# Allegro board 038RT-9068CJK8E-A100_0921.brd (continued)
## Routing (per net, layer and track width the routed paths; a pad name or vN(x,y) marks a point on that pad's centre or on a via; arc(x,y) is an arc through that point) (continued)
S2_LDOIN: length 32.4
  TOP w0.508: v1(292.06,251) 291.07,250.02 291.07,240.87 290.69,240.49 S2_LDOIN.1
  L15_SIGNAL w0.102: 288.1,258.6 288.1,267.42 v1(287.7,267.82)
  L15_SIGNAL w0.105: 288.12,258.58 288.1,258.6 288.1,258.6
  L15_SIGNAL w0.203: v2(292.79,253.2) 290.93,253.2 290.02,254.11 290.02,256.67 288.12,258.58
  BOTTOM w0.203: UNK2ST3.1 v2(292.79,253.2)
  vias: v1(282.9,267.02) v1(282.9,266.22) v1(286.9,267.82) v1(286.9,267.02) v1(287.7,267.02) v1(292.06,251.64)
S2_MCT1: length 5
  TOP w0.115: UNK2T12.2 v2(54.59,351.17) ; UNK2R134.1 v2(57.76,351.17)
  L03_SIGNAL w0.145: v2(54.59,351.17) v2(57.76,351.17)
S2_MCT2: length 12
  TOP w0.115: UNK2R133.1 v2(51.73,351.17) ; UNK2T12.7 v2(60.94,351.17)
  L03_SIGNAL w0.145: v2(60.94,351.17) 59.81,352.3 52.86,352.3 v2(51.73,351.17)
S2_MCT_RC: length 8.6
  L03_SIGNAL w0.145: v2(49.55,349.92) 49.88,349.58 v2(51.73,349.58) 52.05,349.9 57.45,349.9 v2(57.76,349.58)
S2_NGATE:
  vias: v1(281.3,269.42)
S2_OE_K144: length 17.3
  BOTTOM w0.115: UNK2K144.1 45.66,291.14 46.72,292.2 49.72,292.2 51.16,290.75 51.16,286.34 UNK2RL18.1 49.84,286.03 47.98,286.03 47.5,286.52 UNK2K144.10
S2_OE_K145: length 9.5
  L42_SIGNAL w0.203: v1(27.08,276.14) 25.89,277.32 25.89,278.01 v1(23.86,280.04)
  BOTTOM w0.115: UNK2K145.1 v1(27.08,276.14) ; v1(23.86,280.04) 24.17,280.04 24.64,280.51 25.29,280.51 25.94,281.17 UNK2K145.10
S2_OE_K184: length 14.2
  BOTTOM w0.115: UNK2K184.1 139.69,284.78 140.6,285.68 141.94,285.68 143.88,283.74 UNK2RL21.1 143.25,280.14 140.6,280.14 140.46,280.28 UNK2K184.10
S2_OE_K213: length 15.4
  BOTTOM w0.115: UNK2K213.1 253.94,252.82 254.84,253.73 256.62,253.73 258.56,251.79 258.56,249.08 UNK2RL42.1 258.18,248.19 254.85,248.19 254.71,248.32 UNK2K213.10
S2_OE_K214: length 14.1
  BOTTOM w0.115: UNK2K214.10 232.5,248.32 232.63,248.19 235.13,248.19 UNK2RL44.1 235.92,248.97 235.92,251.79 233.98,253.73 232.63,253.73 231.73,252.82 UNK2K214.1
S2_OE_K217: length 8.3
  BOTTOM w0.115: UNK2K217.10 140.63,264.12 140.86,264.35 140.86,264.98 141.25,265.37 UNK2RL39.1 141.51,267.24 140.13,268.62 UNK2K217.1
S2_P0_LDOOUT:
  vias: v1(282.9,267.82) v1(283.7,267.82)
S2_P0_LED: length 20.5
  L05_SIGNAL w0.102: 292.92,267.42 289.7,267.42 v1(289.3,267.82)
  L05_SIGNAL w0.105: 292.92,267.42 293.01,267.33 295.64,267.33 297.38,269.07 v1(308.89,269.07)
S2_P0_MDI+: length 28.8
  TOP w0.105: UNK2K60.3 259.01,264.93 259.12,264.83 261.87,264.83 263.45,266.41 263.45,269.93 265.87,272.36 275.26,272.36 277.45,274.55 279.05,274.55 279.53,274.06 279.53,273.59 SITE2.A3
S2_P0_MDI-: length 28.8
  TOP w0.105: UNK2K60.6 259.01,264.26 259.12,264.36 262.06,264.36 263.91,266.22 263.91,266.51 264.04,266.63 264.13,266.63 264.25,266.76 264.25,266.93 264.13,267.05 264.04,267.05 263.91,267.18 263.91,267.35 264.04,267.47 264.13,267.47 264.25,267.6 264.25,267.77 264.13,267.89 264.04,267.89 263.91,268.02 263.91,269.74 266.06,271.89 275.45,271.89 277.64,274.08 278.85,274.08 279.06,273.87 279.06,273.59 SITE2.A2
S2_P0_RXC: length 136.8
  L13_SIGNAL w0.105: v1(278.1,268.62) 276.93,268.62 274.48,271.07 268.92,271.07 267.79,272.19 212,272.19 210.86,271.05 197.44,271.05 196.56,271.93 183.69,271.93 182.16,273.46 182.16,275.61 181.57,276.21 179.32,276.21 178.56,275.45 178.56,272.55 177.78,271.77 167.96,271.77 167.2,272.53 167.2,275.91 166.59,276.52 163.94,276.52 163.41,275.99 163.41,268.65 164.53,267.53 v1(164.63,267.53)
S2_P0_RXD0: length 122.1
  L13_SIGNAL w0.102: v1(278.9,266.22) 278.5,265.82 277.85,265.82
  L13_SIGNAL w0.105: v1(164.63,275.26) 165.87,274.02 165.87,270.41 167.39,268.89 179.72,268.89 180.28,268.33 182.15,268.33 182.75,267.73 193.4,267.73 193.84,267.29 208.59,267.29 211.38,264.5 269.38,264.5 271.13,266.25 274.9,266.25 275.59,265.56 277.59,265.56 277.85,265.82
S2_P0_RXD1: length 99.9
  L13_SIGNAL w0.105: v1(180.39,269.05) 182.35,269.05 183.09,268.31 194.7,268.31 195.1,267.91 210.38,267.91 211.49,266.8 222.96,266.8 223.64,267.48 262.45,267.48 263.53,266.41 270.44,266.41 270.94,266.91 275.17,266.91 275.86,266.22 v1(278.1,266.22)
S2_P0_RXD2: length 121.6
  L13_SIGNAL w0.102: 277.83,265.02 279.17,265.02 279.3,265.15 279.3,266.62 v1(278.9,267.02)
  L13_SIGNAL w0.105: v1(164.63,269.05) 166.38,269.05 167.26,268.17 178.41,268.17 181.15,265.44 209.26,265.44 213.51,261.19 262.08,261.19 264.09,263.21 269.12,263.21 270.79,264.88 277.7,264.88 277.83,265.02
S2_P0_RXD3: length 135.2
  L13_SIGNAL w0.105: v1(164.63,261.32) 164.2,261.75 164.2,265.97 165.13,266.9 165.13,267.75 163.99,268.9 163.99,275.74 164.12,275.87 166.23,275.87 166.62,275.48 166.62,272.19 167.65,271.16 181.13,271.16 183.4,268.89 197.42,268.89 197.81,268.51 210.8,268.51 211,268.3 269.36,268.3 269.99,267.67 275.52,267.67 276.17,267.02 v1(278.1,267.02)
S2_P0_RXDV: length 124.4
  L13_SIGNAL w0.102: v1(278.9,267.82) 279.3,267.42 279.99,267.42 280.1,267.31 280.1,264.43 279.89,264.22 277.83,264.22
  L13_SIGNAL w0.105: 277.83,264.22 271.07,264.22 269.39,262.54 264.37,262.54 262.36,260.53 213.23,260.53 208.99,264.78 180.77,264.78 180.17,265.37 167.16,265.37 v1(164.63,262.84)
S2_P0_RXER: length 102.3
  L13_SIGNAL w0.105: v1(180.39,275.26) 180.97,274.68 180.97,273.65 183.25,271.37 196.12,271.37 197.13,270.37 211.14,270.37 212.28,271.51 265.59,271.51 266.75,270.34 269.22,270.34 271.1,268.47 275.85,268.47 276.5,267.82 v1(278.1,267.82)
S2_P0_TESTD: length 123.4
  L07_SIGNAL w0.102: 277.68,269.87 277.73,269.82 278.4,269.82 278.5,269.72 278.5,269.02 v1(278.9,268.62)
  L07_SIGNAL w0.105: v1(180.39,267.53) 182.17,269.31 182.17,276.86 184.45,279.14 209.1,279.14 221.55,291.59 236.91,291.59 244.62,283.87 257.58,283.87 263.99,277.47 269.99,277.47 273.45,274.01 273.45,273.07 276.56,269.97 277.58,269.97 277.68,269.87
S2_P0_TXC: length 105.1
  L11_SIGNAL w0.102: 277.85,269.02 278.41,269.02 278.5,269.11 278.5,269.82 v1(278.9,270.22)
  L11_SIGNAL w0.105: v1(180.39,262.84) 183.89,259.35 214.57,259.35 214.89,259.03 241.2,259.03 247.07,264.9 262.42,264.9 264.02,266.5 275.33,266.5 277.85,269.02
S2_P0_TXD0: length 88.9
  L11_SIGNAL w0.102: 277.85,270.62 278.5,270.62 v1(278.9,271.02)
  L11_SIGNAL w0.105: v1(196.15,262.84) 196.57,262.43 213.89,262.43 215.99,260.34 240.6,260.34 248.42,268.17 262,268.17 265.27,271.43 275.63,271.43 276.45,270.62 277.85,270.62
S2_P0_TXD1: length 108.6
  L11_SIGNAL w0.105: v1(180.39,261.32) 179.47,262.24 179.47,264.04 180.18,264.75 209.87,264.75 211.24,263.37 214.63,263.37 217.03,260.98 240.33,260.98 248.16,268.81 261.73,268.81 264.91,271.99 275.99,271.99 276.71,271.26 277.86,271.26 v1(278.1,271.02)
S2_P0_TXD2: length 126
  L11_SIGNAL w0.102: 277.85,272.22 278.5,272.22 v1(278.9,271.82)
  L11_SIGNAL w0.105: v1(164.63,273.73) 165.58,274.69 194.98,274.69 197.53,272.14 197.53,266.67 198.24,265.96 210.77,265.96 211.14,265.59 221.25,265.59 224.1,268.44 243.37,268.44 246.9,271.97 262.59,271.97 264.63,274.01 275.77,274.01 277.41,272.38 277.69,272.38 277.85,272.22
S2_P0_TXD3: length 108.2
  L11_SIGNAL w0.105: v1(180.39,273.73) 180.78,274.13 194.75,274.13 196.97,271.91 196.97,266.44 198.01,265.4 210.54,265.4 210.91,265.03 221.48,265.03 224.33,267.88 243.6,267.88 247.14,271.41 262.83,271.41 263.96,272.55 276.45,272.55 277.17,271.82 v1(278.1,271.82)
S2_P0_TXEN: length 87.4
  L11_SIGNAL w0.105: v1(278.1,270.22) 277.83,269.95 276.17,269.95 274.48,268.26 263.04,268.26 262.27,267.5 248.7,267.5 240.87,259.67 215.71,259.67 213.62,261.76 196.6,261.76 v1(196.15,261.32)
S2_P0_VDDIO: length 0.8
  BOTTOM w0.508: v1(278.1,272.62) 277.32,272.62 UNK2CD138.1
  vias: v1(273.96,275.23) v1(274.6,275.23) v1(278.1,269.42) v1(278.9,269.42)
S2_P1_LDOOUT:
  vias: v1(287.7,266.22) v1(287.7,265.42)
S2_P1_LED: length 22.8
  L03_SIGNAL w0.102: v1(290.1,267.02) 290.5,266.62 292.92,266.62
  L03_SIGNAL w0.145: v1(312.06,266.53) 311.21,267.38 307.58,267.38 307.16,266.96 294.98,266.96 294.63,266.62 292.92,266.62
S2_P1_MDI+: length 67.1
  L03_SIGNAL w0.136: UNK2K64.3 230,264.23 229.86,264.37 226.51,264.37 225.8,265.09 225.8,267.61 226.61,268.43 261.86,268.43 265.38,271.96 267.71,271.96 268.31,272.55 275.02,272.55 277.07,274.6 279.17,274.6 280.32,273.45 280.32,272.79 v1(280.5,272.62)
S2_P1_MDI-: length 67.1
  L03_SIGNAL w0.136: v1(279.7,272.62) 279.87,272.79 279.87,273.26 278.98,274.15 277.26,274.15 275.21,272.1 274.82,272.1 274.66,271.94 274.66,271.7 274.5,271.54 274.28,271.54 274.12,271.7 274.12,271.94 273.96,272.1 273.73,272.1 273.58,271.94 273.58,271.7 273.42,271.54 273.19,271.54 273.03,271.7 273.03,271.94 272.87,272.1 272.65,272.1 272.49,271.94 272.49,271.7 272.33,271.54 272.1,271.54 271.94,271.7 271.94,271.94 271.79,272.1 268.5,272.1 267.9,271.5 265.57,271.5 262.04,267.98 226.8,267.98 226.25,267.43 226.25,265.28 226.7,264.82 229.86,264.82 230,264.96 UNK2K64.6
S2_P1_RXC: length 52.8
  L07_SIGNAL w0.102: 292.92,262.64 292.9,262.62 292.1,262.62 292.1,262.62 v1(291.7,262.22)
  L07_SIGNAL w0.105: 292.92,262.64 294.37,262.64 297.15,265.42 297.15,276.75 292.34,281.56 292.34,283.33 289.51,286.16 289.51,288.32 288.83,288.99 277.02,288.99 274.09,286.06 274.09,284.56 v1(274.78,283.87)
  BOTTOM w0.115: UNK2RR534.1 v1(274.78,283.87) UNK2RR524.1
S2_P1_RXD0: length 32.4
  L07_SIGNAL w0.102: v1(291.7,264.62) 290.5,265.82 290.5,273.84
  L07_SIGNAL w0.105: v1(278.85,283.87) 280.48,285.5 281.38,285.5 281.8,285.09 281.8,278.73 282.51,278.02 288.35,278.02 290.5,275.87 290.5,273.84
  BOTTOM w0.115: UNK2RR520.1 v1(278.85,283.87) UNK2RR530.1
S2_P1_RXD1: length 46.9
  L07_SIGNAL w0.105: v1(292.5,264.62) 293.34,264.62 295.33,266.61 295.33,275.53 290.52,280.34 290.52,282.58 287.17,285.92 287.17,287.54 286.99,287.73 278.16,287.73 276.29,285.87 276.29,282.65 277.48,281.46 277.48,280.73 v1(276.81,280.06)
  BOTTOM w0.115: UNK2RR531.1 v1(276.81,280.06) UNK2RR521.1
S2_P1_RXD2: length 29.7
  L07_SIGNAL w0.102: 289.7,273.84 289.7,264.34 289.82,264.22 291.3,264.22 v1(291.7,263.82)
  L07_SIGNAL w0.105: v1(280.88,283.87) 280.18,283.17 280.18,278.87 282.11,276.94 287.4,276.94 289.7,274.64 289.7,273.84
  BOTTOM w0.115: UNK2RR532.1 v1(280.88,283.87) UNK2RR522.1
S2_P1_RXD3: length 52.5
  L07_SIGNAL w0.105: v1(278.85,280.06) 278.33,279.55 276.61,279.55 276.25,279.91 276.25,281.89 275.73,282.4 275.73,286.34 277.69,288.3 287.22,288.3 287.74,287.78 287.74,286.16 291.09,282.81 291.09,281.04 295.89,276.23 295.89,266.38 293.5,263.98 292.66,263.98 v1(292.5,263.82)
  BOTTOM w0.115: UNK2RR533.1 v1(278.85,280.06) UNK2RR523.1
S2_P1_RXDV: length 31.4
  L07_SIGNAL w0.102: v1(291.7,263.02) 291.3,263.42 289.13,263.42 288.9,263.66 288.9,273.84
  L07_SIGNAL w0.105: v1(274.78,280.06) 275.34,279.5 275.34,278.18 275.91,277.61 280.47,277.61 283.8,274.28 288.64,274.28 288.9,274.03 288.9,273.84
  BOTTOM w0.115: UNK2RR535.1 v1(274.78,280.06) UNK2RR525.1
S2_P1_TXC: length 222.1
  L11_SIGNAL w0.105: v1(104.26,290.1) 105.19,291.03 105.19,291.68 107.99,294.48 139.5,294.48 144.75,289.22 184.3,289.22 185.57,287.95 211.63,287.95 212.85,286.73 260.13,286.73 262.09,288.7 285.52,288.7 287.11,287.11 287.11,284.36 296.27,275.2 296.27,269.36 296.49,269.14 296.49,266.5 293.97,263.97 293.97,261.93 293.47,261.42 v1(292.5,261.42)
  BOTTOM w0.115: UNK2RR514.1 v1(104.26,290.1) UNK2RR504.1
S2_P1_TXD0: length 236.6
  L11_SIGNAL w0.105: v1(292.5,259.82) 292.84,259.47 294.1,259.47 296.09,261.46 296.09,262.49 298.07,264.47 298.79,264.47 299.46,265.14 299.46,268.79 297.94,270.31 297.94,275.89 290.07,283.75 290.07,287.18 285.89,291.36 220.96,291.36 219.54,289.94 186.28,289.94 185.09,291.13 145.8,291.13 139.91,297.01 107.34,297.01 103.78,293.45 101.51,293.45 v1(98.16,290.1)
  BOTTOM w0.115: UNK2RR500.1 v1(98.16,290.1) UNK2RR510.1
S2_P1_TXD1: length 231.4
  L11_SIGNAL w0.102: v1(291.7,259.82) 292.1,260.22 292.79,260.22 292.89,260.13 292.92,260.13
  L11_SIGNAL w0.105: v1(100.2,290.1) 102.73,292.64 103.75,292.64 107.57,296.46 139.47,296.46 145.44,290.49 184.82,290.49 186.01,289.3 229.19,289.3 229.53,288.96 259.91,288.96 260.87,289.91 286.55,289.91 289.52,286.95 289.52,283.52 297.38,275.66 297.38,269.82 297.6,269.6 297.6,266.03 295.25,263.68 295.25,261.41 293.96,260.13 292.92,260.13
  BOTTOM w0.115: UNK2RR501.1 v1(100.2,290.1) UNK2RR511.1
S2_P1_TXD2: length 244.2
  L11_SIGNAL w0.105: v1(291.7,259.02) 292.25,258.47 294.44,258.47 296.68,260.71 299.5,260.71 301.12,262.33 301.12,267.91 298.49,270.54 298.49,276.12 290.63,283.98 290.63,287.41 286.12,291.91 220.65,291.91 219.39,290.65 219.37,290.65 219.29,290.57 186.54,290.57 185.35,291.76 146.01,291.76 140.21,297.57 107.11,297.57 106.43,296.88 102.91,296.88 v1(96.13,290.1)
  BOTTOM w0.115: UNK2RR502.1 v1(96.13,290.1) UNK2RR512.1
S2_P1_TXD3: length 250.8
  L11_SIGNAL w0.102: 290.57,258.6 290.5,258.67 290.5,259.42 v1(290.9,259.82)
  L11_SIGNAL w0.105: 290.57,258.6 291.28,257.89 292.01,257.89 292.03,257.91 294.67,257.91 296.91,260.16 299.73,260.16 301.67,262.1 301.67,268.14 299.05,270.77 299.05,276.35 291.18,284.21 291.18,287.18 291.18,287.64 286.35,292.47 220.42,292.47 219.16,291.21 186.8,291.21 185.61,292.4 146.4,292.4 140.68,298.12 106.88,298.12 106.31,297.55 101.55,297.55 v1(94.1,290.1)
  BOTTOM w0.115: UNK2RR513.1 v1(94.1,290.1) UNK2RR503.1
S2_P1_TXEN: length 226.2
  L11_SIGNAL w0.102: 292.92,260.76 292.61,260.76 292.5,260.65 v1(292.5,260.62)
  L11_SIGNAL w0.105: v1(102.23,290.1) 103.09,290.96 103.09,291.18 107.8,295.9 139.16,295.9 145.21,289.86 184.56,289.86 185.91,288.51 229.2,288.51 229.6,288.1 260.71,288.1 261.86,289.25 285.75,289.25 287.66,287.34 287.66,287.33 287.69,287.3 287.69,284.56 296.83,275.43 296.83,269.59 297.05,269.37 297.05,266.26 294.62,263.84 294.62,261.71 293.67,260.76 292.92,260.76
  BOTTOM w0.115: UNK2RR515.1 v1(102.23,290.1) UNK2RR505.1
S2_P1_VDDIO:
  vias: v1(290.9,262.22) v1(291.7,261.42) v1(292.5,262.22) v1(297.46,262.26) v1(298.28,261.75) v1(298.92,261.75)
S2_P2_GIGA_MDI+: length 5.6
  BOTTOM w0.105: UNK2T18.3 287.43,277.32 287.43,276.71 289.93,274.21 289.93,273.59 v1(290.1,273.42)
S2_P2_GIGA_MDI-: length 5.6
  BOTTOM w0.105: UNK2T18.4 286.96,277.32 286.96,276.52 289.46,274.02 289.46,273.59 v1(289.3,273.42)
S2_P2_LED: length 27.1
  L05_SIGNAL w0.102: v1(289.3,267.02) 289.7,266.62 292.92,266.62
  L05_SIGNAL w0.105: v1(315.24,269.07) 314.3,268.13 308.65,268.13 307.43,266.91 296.53,266.91 296.24,266.62 292.92,266.62
S2_P3_GIGA_MDI+: length 5.6
  BOTTOM w0.105: UNK2T23.3 294.03,277.32 294.03,276.28 291.53,273.77 291.53,273.59 v1(291.7,273.42)
S2_P3_GIGA_MDI-: length 5.6
  BOTTOM w0.105: UNK2T23.4 293.57,277.32 293.57,276.47 291.06,273.97 291.06,273.59 v1(290.9,273.42)
S2_P3_LED: length 20
  L05_SIGNAL w0.102: v1(289.3,266.22) 289.7,265.82 292.92,265.82
  L05_SIGNAL w0.105: 292.92,265.82 296.69,265.82 297.19,266.32 308.68,266.32 v1(308.89,266.53)
S2_P4_HSI+: length 188.9
  L07_SIGNAL w0.1: 286.6,258.6 286.66,258.53 arc(286.7,258.48) 286.72,258.41 286.72,257.96 arc(286.7,257.91) 286.68,257.86 283.36,254.55 arc(283.25,254.39) 283.21,254.19 283.21,248.98 arc(283.2,248.92) 283.17,248.88 281.62,247.33 arc(281.58,247.3) 281.53,247.29 278.95,247.29 arc(278.76,247.25) 278.6,247.14 275.71,244.25 arc(275.66,244.22) 275.61,244.21 260.27,244.21 arc(260.08,244.17) 259.92,244.06 256.1,240.25 arc(256.06,240.22) 256.01,240.21 222.25,240.21 arc(222.19,240.22) 222.15,240.25 208.89,253.5 arc(208.73,253.61) 208.54,253.65 167.48,253.65 arc(167.42,253.66) 167.38,253.69 151.82,269.25 147.02,274.06 arc(146.47,274.87) 146.28,275.83 146.28,284.35 arc(146.15,285.01) 145.78,285.57 arc(145.05,286.06) 144.18,286.23 140.76,286.23 arc(140.45,286.17) 140.2,286 139.65,285.45 arc(139.54,285.29) 139.5,285.09 139.5,284.46 arc(139.54,284.27) 139.65,284.11 139.77,283.99 arc(139.93,283.88) 140.12,283.85 140.38,283.85 arc(140.47,283.83) 140.54,283.78 v1(140.62,283.7)
  L07_SIGNAL w0.102: 286.6,258.6 286.54,258.66 arc(286.51,258.71) 286.5,258.76 286.5,259.21 arc(286.54,259.4) 286.64,259.57 v4(286.9,259.82)
  BOTTOM w0.105: UNK2K184.3 139.03,283.8 140.52,283.8 v1(140.62,283.7)
S2_P4_HSI-: length 188.9
  L07_SIGNAL w0.1: 287.18,258.6 287.12,258.54 arc(287.09,258.49) 287.08,258.43 287.08,257.96 arc(287.04,257.77) 286.93,257.61 283.62,254.29 arc(283.59,254.25) 283.58,254.19 283.58,248.98 arc(283.54,248.79) 283.43,248.62 281.88,247.07 arc(281.72,246.97) 281.53,246.93 278.95,246.93 arc(278.9,246.92) 278.85,246.89 275.96,243.99 arc(275.8,243.89) 275.61,243.85 260.27,243.85 arc(260.22,243.84) 260.18,243.81 256.36,239.99 arc(256.2,239.88) 256.01,239.84 222.25,239.84 arc(222.05,239.88) 221.89,239.99 208.63,253.25 arc(208.59,253.28) 208.54,253.29 175.99,253.29 arc(175.88,253.27) 175.78,253.2 175.77,253.19 arc(175.66,253.11) 175.52,253.09 175.43,253.09 arc(175.3,253.11) 175.18,253.19 175.17,253.2 arc(175.08,253.27) 174.97,253.29 174.79,253.29 arc(174.68,253.27) 174.58,253.2 174.57,253.19 arc(174.45,253.11) 174.3,253.08 174.25,253.08 arc(174.11,253.11) 173.98,253.19 173.97,253.2 arc(173.88,253.27) 173.77,253.29 173.58,253.29 arc(173.47,253.27) 173.38,253.2 173.37,253.19 arc(173.25,253.11) 173.11,253.08 173.04,253.08 arc(172.9,253.11) 172.78,253.19 172.77,253.2 arc(172.67,253.27) 172.57,253.29 172.38,253.29 arc(172.27,253.27) 172.18,253.2 172.17,253.19 arc(172.03,253.1) 171.88,253.07 171.87,253.07 arc(171.71,253.1) 171.58,253.19 171.57,253.2 arc(171.47,253.27) 171.36,253.29 171.18,253.29 arc(171.07,253.27) 170.98,253.2 170.97,253.19 arc(170.85,253.12) 170.72,253.09 170.62,253.09 arc(170.49,253.12) 170.38,253.19 170.37,253.2 arc(170.27,253.27) 170.16,253.29 167.48,253.29 arc(167.29,253.33) 167.12,253.43 151.56,269 146.76,273.8 arc(146.14,274.73) 145.92,275.83 145.92,284.35 arc(145.81,284.87) 145.52,285.31 arc(144.91,285.72) 144.18,285.87 140.76,285.87 arc(140.59,285.83) 140.45,285.74 139.91,285.19 arc(139.88,285.15) 139.86,285.09 139.86,284.46 arc(139.88,284.41) 139.9,284.37 140.02,284.25 arc(140.07,284.22) 140.12,284.21 140.38,284.21 arc(140.47,284.23) 140.54,284.28 v1(140.62,284.36)
  L07_SIGNAL w0.102: 287.18,258.6 287.25,258.66 arc(287.28,258.72) 287.3,258.79 287.3,259.21 arc(287.34,259.4) 287.44,259.57 v4(287.7,259.82)
  BOTTOM w0.105: v1(140.62,284.36) 140.52,284.26 139.03,284.26 UNK2K184.2
S2_P4_HSO+: length 204.8
  L05_SIGNAL w0.1: v1(142.4,281.7) 142.32,281.78 arc(142.24,281.83) 142.16,281.85 141.2,281.85 141.01,281.66 139.92,281.66 arc(139.73,281.69) 139.56,281.8 139.12,282.25 arc(139.01,282.41) 138.97,282.6 138.97,285 arc(139.01,285.19) 139.12,285.36 139.86,286.1 arc(140.02,286.21) 140.22,286.25 142.41,286.25 arc(145.24,285.07) 146.41,282.24 146.41,276.49 arc(146.73,274.9) 147.63,273.55 149.56,271.62 arc(150.33,270.47) 150.6,269.11 150.6,268.06 arc(151.01,265.98) 152.2,264.21 167.7,248.7 arc(167.75,248.67) 167.8,248.66 208.9,248.66 arc(209.09,248.62) 209.25,248.52 220.39,237.38 arc(220.44,237.35) 220.49,237.34 280.07,237.34 arc(280.12,237.35) 280.16,237.38 282.69,239.9 arc(283.12,240.54) 283.27,241.3 283.27,254.46 arc(283.34,254.85) 283.56,255.18 285.18,256.79 arc(285.34,256.9) 285.53,256.94 286.76,256.94 arc(286.81,256.95) 286.86,256.98 287.87,258 arc(287.9,258.04) 287.92,258.09 287.92,258.57 287.91,258.58 287.91,258.6
  L05_SIGNAL w0.102: 287.91,258.6 287.91,258.71 arc(287.9,258.8) 287.85,258.87 v4(287.7,259.02)
  BOTTOM w0.105: UNK2K184.7 139.03,281.8 142.3,281.8 v1(142.4,281.7)
S2_P4_HSO-: length 204.8
  L05_SIGNAL w0.1: 288.28,258.6 288.28,258.58 288.28,258.57 288.28,258.09 arc(288.24,257.9) 288.13,257.74 287.11,256.72 arc(286.95,256.61) 286.76,256.57 285.53,256.57 arc(285.48,256.56) 285.43,256.53 283.82,254.92 arc(283.68,254.71) 283.63,254.46 283.63,241.3 arc(283.45,240.4) 282.94,239.64 280.42,237.12 arc(280.26,237.01) 280.07,236.97 220.49,236.97 arc(220.3,237.01) 220.13,237.12 208.99,248.26 arc(208.95,248.29) 208.9,248.3 175.67,248.3 arc(175.56,248.28) 175.47,248.22 175.45,248.2 arc(175.33,248.12) 175.18,248.09 175.13,248.09 arc(174.99,248.12) 174.87,248.2 174.85,248.22 arc(174.76,248.28) 174.65,248.3 174.47,248.3 arc(174.36,248.28) 174.26,248.22 174.25,248.2 arc(174.12,248.11) 173.96,248.08 173.96,248.08 arc(173.8,248.11) 173.66,248.2 173.65,248.22 arc(173.56,248.28) 173.45,248.3 173.27,248.3 arc(173.16,248.28) 173.06,248.22 173.05,248.2 arc(172.93,248.12) 172.8,248.1 172.72,248.1 arc(172.58,248.12) 172.46,248.2 172.45,248.22 arc(172.36,248.28) 172.25,248.3 172.06,248.3 arc(171.96,248.28) 171.86,248.22 171.85,248.2 arc(171.73,248.12) 171.58,248.09 171.53,248.09 arc(171.38,248.12) 171.26,248.2 171.25,248.22 arc(171.16,248.28) 171.05,248.3 170.86,248.3 arc(170.75,248.28) 170.66,248.22 170.65,248.2 arc(170.55,248.13) 170.42,248.11 170.29,248.11 arc(170.16,248.13) 170.06,248.2 170.05,248.22 arc(169.96,248.28) 169.85,248.3 167.8,248.3 arc(167.61,248.34) 167.44,248.45 151.94,263.95 arc(150.68,265.84) 150.24,268.06 150.24,269.11 arc(149.99,270.33) 149.3,271.37 147.38,273.29 arc(146.4,274.76) 146.05,276.49 146.05,282.24 arc(144.99,284.82) 142.41,285.88 140.22,285.88 arc(140.16,285.87) 140.12,285.84 140.12,285.84 139.37,285.1 arc(139.34,285.05) 139.33,285 139.33,282.6 arc(139.34,282.55) 139.37,282.5 139.82,282.06 arc(139.86,282.03) 139.92,282.02 140.86,282.02 141.05,282.21 142.16,282.21 arc(142.24,282.23) 142.32,282.28 v1(142.4,282.36)
  L05_SIGNAL w0.102: v4(288.5,259.02) 288.34,258.87 arc(288.3,258.8) 288.28,258.71 288.28,258.6
  BOTTOM w0.105: v1(142.4,282.36) 142.3,282.26 139.03,282.26 UNK2K184.6
S2_P5_HSI+: length 190.5
  L07_SIGNAL w0.1: 288.2,258.6 288.27,258.54 arc(288.3,258.48) 288.32,258.42 288.32,245.95 arc(288.3,245.9) 288.28,245.85 279.85,237.43 arc(279.81,237.4) 279.75,237.39 221.08,237.39 arc(221.03,237.4) 220.98,237.43 210.22,248.19 arc(210.06,248.3) 209.86,248.34 191.19,248.34 arc(191.08,248.36) 190.99,248.42 190.97,248.44 arc(190.85,248.52) 190.71,248.54 190.65,248.54 arc(190.51,248.52) 190.38,248.44 190.37,248.42 arc(190.28,248.36) 190.17,248.34 189.99,248.34 arc(189.88,248.36) 189.78,248.42 189.77,248.44 arc(189.65,248.51) 189.51,248.54 189.44,248.54 arc(189.3,248.51) 189.18,248.44 189.17,248.42 arc(189.08,248.36) 188.97,248.34 188.79,248.34 arc(188.68,248.36) 188.58,248.42 188.57,248.44 arc(188.45,248.52) 188.3,248.55 188.25,248.55 arc(188.11,248.52) 187.98,248.44 187.97,248.42 arc(187.88,248.36) 187.77,248.34 187.59,248.34 arc(187.48,248.36) 187.38,248.42 187.37,248.44 arc(187.25,248.51) 187.11,248.54 187.04,248.54 arc(186.9,248.51) 186.78,248.44 186.77,248.42 arc(186.68,248.36) 186.57,248.34 186.38,248.34 arc(186.27,248.36) 186.18,248.42 186.17,248.44 arc(186.06,248.51) 185.92,248.54 185.82,248.54 arc(185.69,248.51) 185.58,248.44 185.57,248.42 arc(185.47,248.36) 185.36,248.34 185.18,248.34 arc(185.07,248.36) 184.98,248.42 184.97,248.44 arc(184.85,248.51) 184.72,248.54 184.63,248.54 arc(184.49,248.51) 184.38,248.44 184.37,248.42 arc(184.27,248.36) 184.16,248.34 183.98,248.34 arc(183.87,248.36) 183.78,248.42 183.77,248.44 arc(183.65,248.51) 183.51,248.54 183.43,248.54 arc(183.3,248.51) 183.18,248.44 183.17,248.42 arc(183.07,248.36) 182.96,248.34 182.78,248.34 arc(182.67,248.36) 182.58,248.42 182.57,248.44 arc(182.45,248.51) 182.32,248.54 182.23,248.54 arc(182.09,248.51) 181.98,248.44 181.96,248.42 arc(181.87,248.36) 181.76,248.34 181.58,248.34 arc(181.47,248.36) 181.38,248.42 181.36,248.44 arc(181.26,248.5) 181.15,248.53 180.99,248.53 arc(180.88,248.5) 180.78,248.44 180.76,248.42 arc(180.67,248.36) 180.56,248.34 180.38,248.34 arc(180.27,248.36) 180.18,248.42 180.16,248.44 arc(180.07,248.5) 179.96,248.52 179.78,248.52 arc(179.67,248.5) 179.58,248.44 179.56,248.42 arc(179.47,248.36) 179.36,248.34 179.18,248.34 arc(179.07,248.36) 178.98,248.42 178.96,248.44 arc(178.87,248.5) 178.76,248.52 178.58,248.52 arc(178.47,248.5) 178.38,248.44 178.36,248.42 arc(178.27,248.36) 178.16,248.34 177.98,248.34 arc(177.87,248.36) 177.78,248.42 177.76,248.44 arc(177.67,248.5) 177.56,248.52 177.38,248.52 arc(177.27,248.5) 177.17,248.44 177.16,248.42 arc(177.07,248.36) 176.96,248.34 176.78,248.34 arc(176.67,248.36) 176.57,248.42 176.56,248.44 arc(176.47,248.5) 176.36,248.52 176.18,248.52 arc(176.07,248.5) 175.97,248.44 175.96,248.42 arc(175.87,248.36) 175.76,248.34 175.58,248.34 arc(175.47,248.36) 175.37,248.42 175.36,248.44 arc(175.27,248.5) 175.16,248.52 174.98,248.52 arc(174.87,248.5) 174.77,248.44 174.76,248.42 arc(174.67,248.36) 174.56,248.34 174.38,248.34 arc(174.27,248.36) 174.17,248.42 174.16,248.44 arc(174.07,248.5) 173.96,248.52 173.77,248.52 arc(173.67,248.5) 173.57,248.44 173.56,248.42 arc(173.47,248.36) 173.36,248.34 173.17,248.34 arc(173.06,248.36) 172.97,248.42 172.96,248.44 arc(172.86,248.5) 172.76,248.52 172.57,248.52 arc(172.46,248.5) 172.37,248.44 172.36,248.42 arc(172.26,248.36) 172.15,248.34 168.75,248.34 arc(168.7,248.35) 168.65,248.38 143.46,273.57 arc(143.43,273.61) 143.42,273.66 143.42,279.03 arc(143.43,279.08) 143.46,279.12 143.65,279.31 arc(143.69,279.34) 143.74,279.35 143.78,279.35 arc(143.84,279.33) 143.9,279.3 v1(143.99,279.2)
  L07_SIGNAL w0.102: 288.2,258.6 288.14,258.66 arc(288.11,258.71) 288.1,258.77 288.1,259.21 arc(288.14,259.4) 288.24,259.57 v4(288.5,259.82)
  BOTTOM w0.105: UNK2K184.12 139.03,279.3 143.9,279.3 v1(143.99,279.2)
S2_P5_HSI-: length 190.5
  L07_SIGNAL w0.1: v1(143.99,279.86) 143.91,279.78 arc(143.84,279.73) 143.75,279.71 143.74,279.71 arc(143.55,279.67) 143.39,279.56 143.21,279.38 arc(143.1,279.22) 143.06,279.03 143.06,273.66 arc(143.1,273.47) 143.21,273.31 168.39,248.12 arc(168.56,248.01) 168.75,247.97 209.86,247.97 arc(209.92,247.96) 209.96,247.93 220.72,237.17 arc(220.89,237.06) 221.08,237.02 279.75,237.02 arc(279.95,237.06) 280.11,237.17 288.53,245.59 arc(288.64,245.76) 288.68,245.95 288.68,258.53 288.75,258.6
  L07_SIGNAL w0.102: 288.75,258.6 288.83,258.68 arc(288.88,258.76) 288.9,258.85 288.9,259.21 arc(288.94,259.4) 289.04,259.57 v4(289.3,259.82)
  BOTTOM w0.105: v1(143.99,279.86) 143.9,279.76 139.03,279.76 UNK2K184.11
S2_P5_HSO+: length 202.7
  L05_SIGNAL w0.1: v1(142.4,277.2) 142.32,277.28 arc(142.24,277.33) 142.16,277.35 141.37,277.35 arc(141.32,277.34) 141.28,277.31 140.79,276.82 arc(140.63,276.71) 140.44,276.67 139.87,276.67 arc(139.82,276.66) 139.78,276.63 139.49,276.34 arc(139.46,276.3) 139.45,276.25 139.45,273.96 arc(139.46,273.91) 139.49,273.86 139.92,273.43 arc(139.96,273.4) 140.02,273.39 143.85,273.39 arc(144.04,273.35) 144.21,273.24 145.54,271.91 arc(145.95,271.29) 146.1,270.56 146.1,261.29 arc(146.18,260.88) 146.42,260.52 168.95,237.99 arc(169.37,237.7) 169.87,237.61 171.25,237.61 arc(171.38,237.63) 171.5,237.71 171.51,237.72 arc(171.62,237.8) 171.76,237.82 171.85,237.82 arc(171.98,237.8) 172.1,237.72 172.11,237.71 arc(172.22,237.63) 172.36,237.61 172.45,237.61 arc(172.59,237.63) 172.7,237.71 172.71,237.72 arc(172.83,237.8) 172.96,237.82 173.05,237.82 arc(173.19,237.8) 173.3,237.72 173.31,237.71 arc(173.43,237.63) 173.56,237.61 173.65,237.61 arc(173.79,237.63) 173.9,237.71 173.91,237.72 arc(174.03,237.8) 174.16,237.82 174.25,237.82 arc(174.39,237.8) 174.5,237.72 174.51,237.71 arc(174.63,237.63) 174.76,237.61 174.85,237.61 arc(174.99,237.63) 175.1,237.71 175.11,237.72 arc(175.23,237.8) 175.36,237.82 175.45,237.82 arc(175.59,237.8) 175.7,237.72 175.71,237.71 arc(175.83,237.63) 175.96,237.61 176.05,237.61 arc(176.19,237.63) 176.3,237.71 176.31,237.72 arc(176.43,237.8) 176.56,237.82 176.66,237.82 arc(176.79,237.8) 176.9,237.72 176.92,237.71 arc(177.03,237.63) 177.16,237.61 177.26,237.61 arc(177.39,237.63) 177.5,237.71 177.52,237.72 arc(177.63,237.8) 177.76,237.82 177.86,237.82 arc(177.99,237.8) 178.1,237.72 178.12,237.71 arc(178.23,237.63) 178.36,237.61 178.46,237.61 arc(178.59,237.63) 178.7,237.71 178.72,237.72 arc(178.83,237.8) 178.96,237.82 179.06,237.82 arc(179.19,237.8) 179.3,237.72 179.32,237.71 arc(179.43,237.63) 179.56,237.61 179.66,237.61 arc(179.79,237.63) 179.9,237.71 179.92,237.72 arc(180.03,237.8) 180.16,237.82 180.26,237.82 arc(180.39,237.8) 180.5,237.72 180.52,237.71 arc(180.63,237.63) 180.76,237.61 180.86,237.61 arc(180.99,237.63) 181.1,237.71 181.12,237.72 arc(181.23,237.8) 181.36,237.82 181.46,237.82 arc(181.59,237.8) 181.71,237.72 181.72,237.71 arc(181.83,237.63) 181.97,237.61 182.06,237.61 arc(182.19,237.63) 182.31,237.71 182.32,237.72 arc(182.44,237.8) 182.57,237.83 182.65,237.83 arc(182.79,237.8) 182.91,237.72 182.92,237.71 arc(183.03,237.63) 183.17,237.61 183.26,237.61 arc(183.39,237.63) 183.51,237.71 183.52,237.72 arc(183.64,237.8) 183.79,237.83 183.84,237.83 arc(183.98,237.8) 184.11,237.72 184.12,237.71 arc(184.23,237.63) 184.37,237.61 184.46,237.61 arc(184.59,237.63) 184.71,237.71 184.72,237.72 arc(184.85,237.81) 185,237.84 185.03,237.84 arc(185.18,237.81) 185.31,237.72 185.32,237.71 arc(185.43,237.63) 185.57,237.61 185.66,237.61 arc(185.8,237.63) 185.91,237.71 185.92,237.72 arc(186.04,237.8) 186.18,237.83 186.25,237.83 arc(186.39,237.8) 186.51,237.72 186.52,237.71 arc(186.64,237.63) 186.77,237.61 186.86,237.61 arc(187,237.63) 187.11,237.71 187.12,237.72 arc(187.25,237.81) 187.4,237.84 187.43,237.84 arc(187.58,237.81) 187.71,237.72 187.72,237.71 arc(187.84,237.63) 187.97,237.61 214.98,237.61 arc(215.16,237.57) 215.31,237.47 218.26,234.52 arc(218.31,234.49) 218.36,234.48 280.78,234.48 arc(280.83,234.49) 280.87,234.52 284.75,238.39 arc(284.89,238.6) 284.94,238.85 284.94,243.38 arc(284.97,243.56) 285.07,243.71 287.94,246.57 arc(287.97,246.62) 287.98,246.67 287.98,254.95 arc(288.01,255.14) 288.12,255.3 289.48,256.66 arc(289.51,256.7) 289.52,256.75 289.52,258.57 289.51,258.58 289.51,258.6
  L05_SIGNAL w0.102: 289.51,258.6 289.51,258.71 arc(289.5,258.8) 289.45,258.87 v4(289.3,259.02)
  BOTTOM w0.105: v1(142.4,277.2) 142.3,277.3 139.03,277.3 UNK2K184.16
S2_P5_HSO-: length 202.7
  L05_SIGNAL w0.1: 289.88,258.6 289.88,258.58 289.88,258.57 289.88,256.75 arc(289.84,256.56) 289.73,256.4 288.38,255.05 arc(288.35,255) 288.34,254.95 288.34,246.67 arc(288.3,246.48) 288.19,246.31 286.76,244.88 286.76,244.88 285.33,243.45 arc(285.31,243.42) 285.3,243.38 285.3,238.85 arc(285.22,238.46) 285.01,238.13 281.13,234.26 arc(280.97,234.15) 280.78,234.11 218.36,234.11 arc(218.17,234.15) 218,234.26 216.53,235.74 215.05,237.21 arc(215.02,237.24) 214.98,237.24 169.87,237.24 arc(169.23,237.37) 168.69,237.73 151.11,255.32 146.16,260.26 arc(145.84,260.74) 145.73,261.29 145.73,270.56 arc(145.62,271.15) 145.28,271.65 143.95,272.98 arc(143.91,273.01) 143.85,273.02 140.02,273.02 arc(139.82,273.06) 139.66,273.17 139.23,273.6 arc(139.12,273.77) 139.08,273.96 139.08,276.25 arc(139.12,276.44) 139.23,276.6 139.52,276.89 arc(139.68,277) 139.87,277.04 140.44,277.04 arc(140.49,277.05) 140.53,277.08 141.02,277.56 arc(141.18,277.67) 141.37,277.71 142.16,277.71 arc(142.24,277.73) 142.32,277.78 v1(142.4,277.86)
  L05_SIGNAL w0.102: v4(290.1,259.02) 289.94,258.87 arc(289.9,258.8) 289.88,258.71 289.88,258.6
  BOTTOM w0.105: UNK2K184.15 139.03,277.76 142.3,277.76 v1(142.4,277.86)
S2_P5_LDOOUT:
  vias: v1(286.9,266.22) v1(286.9,265.42)
S2_P5_LED: length 23.4
  L05_SIGNAL w0.102: 292.92,265.02 289.7,265.02 v1(289.3,265.42)
  L05_SIGNAL w0.105: 292.92,265.02 311.03,265.02 v1(312.06,263.99)
S2_P5_MDI+: length 29.7
  TOP w0.105: SITE2.A5 281.13,273.59 281.13,275.07 279.12,277.08 264.28,277.08 263.49,276.29 263.49,273.49 261.94,271.94 259.12,271.94
  TOP w0.115: 259.12,271.94 259.01,272.05 UNK2K130.3
S2_P5_MDI-: length 29.7
  TOP w0.105: SITE2.A4 280.66,273.59 280.66,274.87 278.93,276.61 264.47,276.61 263.95,276.09 263.95,275.35 264.08,275.23 264.17,275.23 264.29,275.1 264.29,274.93 264.17,274.81 264.08,274.81 263.95,274.68 263.95,274.51 264.08,274.39 264.17,274.39 264.29,274.26 264.29,274.09 264.17,273.97 264.08,273.97 263.95,273.84 263.95,273.3 262.14,271.48 259.12,271.48
  TOP w0.115: UNK2K130.6 259.01,271.37 259.12,271.48
S2_P5_RXC: length 26.4
  L07_SIGNAL w0.102: 292.92,268.62 v1(292.5,268.62)
  L07_SIGNAL w0.105: v1(282.91,283.87) 284.47,285.43 286.33,285.43 289.84,281.91 289.84,280.04 294.67,275.22 294.67,269.74 293.55,268.62 292.92,268.62
  BOTTOM w0.115: UNK2RR924.1 v1(282.91,283.87) UNK2RR934.1
S2_P5_RXD0: length 183.9
  L11_SIGNAL w0.102: v1(292.5,271.02) 292.1,271.42 292.1,273.84
  L11_SIGNAL w0.105: 292.1,273.84 290.5,275.44 280.79,275.44 280.09,274.74 244.32,274.74 243.45,275.61 212.14,275.61 209.71,278.04 147.14,278.04 146.54,277.45 144.07,277.45 142.51,279.01 132,279.01 130.92,280.08 116.02,280.08 v1(115.62,280.48)
  BOTTOM w0.115: UNK2RR920.1 v1(115.62,280.48) UNK2RR930.1
S2_P5_RXD1: length 20.6
  L07_SIGNAL w0.102: v1(291.7,270.22) 292.1,269.82 292.92,269.82
  L07_SIGNAL w0.105: v1(284.94,283.87) 285.17,283.87 293.93,275.11 293.93,270.41 293.34,269.82 292.92,269.82
  BOTTOM w0.115: UNK2RR921.1 v1(284.94,283.87) UNK2RR931.1
S2_P5_RXD2: length 18
  L07_SIGNAL w0.105: v1(292.5,270.22) 293.35,271.07 293.35,274.58 287.86,280.06 v1(282.91,280.06)
  BOTTOM w0.115: UNK2RR922.1 v1(282.91,280.06) UNK2RR932.1
S2_P5_RXD3: length 28.1
  L15_SIGNAL w0.102: v1(291.7,269.42) 291.3,269.82 291.3,273.84
  L15_SIGNAL w0.105: 291.3,273.84 291.3,274 289.49,275.8 282.47,275.8 281.03,277.24 277.08,277.24 276.23,278.1 276.23,283.28 v1(276.81,283.87)
  BOTTOM w0.115: UNK2RR933.1 v1(276.81,283.87) UNK2RR923.1
S2_P5_RXDV: length 22.8
  L15_SIGNAL w0.105: v1(280.88,280.06) 281.54,279.39 281.54,278.41 283.29,276.66 292.29,276.66 294.25,274.7 294.25,271.17 v1(292.5,269.42)
  BOTTOM w0.115: UNK2RR935.1 v1(280.88,280.06) UNK2RR925.1
S2_P5_TXC: length 231
  L11_SIGNAL w0.102: v1(291.7,267.02) 292.1,267.42 292.1,268.1 292.22,268.22 292.81,268.22 292.92,268.32 292.92,273.84
  L11_SIGNAL w0.105: 292.92,273.84 290.38,276.38 263.79,276.38 262.8,275.39 244.59,275.39 243.72,276.26 212.41,276.26 210.02,278.64 149.52,278.64 139.14,289.02 138.24,289.02 136.18,291.09 127.95,291.09 127.07,290.21 110.59,290.21 107.29,286.91 102.97,286.91 100.47,284.41 88.52,284.41 84.95,287.98 84.95,289.1 v1(83.94,290.1)
  BOTTOM w0.115: UNK2RR914.1 v1(83.94,290.1) UNK2RR904.1
S2_P5_TXD0: length 227
  L11_SIGNAL w0.102: 292.92,266.69 292.9,266.69 292.83,266.62 292.1,266.62 v1(291.7,266.22)
  L11_SIGNAL w0.105: 292.92,266.69 293.09,266.69 293.55,266.69 294.27,267.42 294.27,268.22 294.05,268.44 294.05,274.27 290.84,277.49 260.24,277.49 258.8,278.93 211.3,278.93 210.48,279.75 150.3,279.75 137.79,292.26 111.07,292.26 106.83,288.02 89.6,288.02 88.99,288.63 88.99,289.12 v1(88,290.1)
  BOTTOM w0.115: UNK2RR910.1 v1(88,290.1) UNK2RR900.1
S2_P5_TXD1: length 232.7
  L11_SIGNAL w0.105: v1(90.04,290.1) 90.79,289.35 90.79,288.97 91.18,288.58 106.6,288.58 110.84,292.82 138.48,292.82 146.74,284.56 148.07,284.56 152.3,280.33 210.69,280.33 210.99,280.03 258.45,280.03 265.45,287.03 281.65,287.03 283.85,284.83 283.85,282.56 288.37,278.04 291.07,278.04 294.61,274.5 294.61,268.67 294.83,268.45 294.83,267.19 293.75,266.11 292.61,266.11 v1(292.5,266.22)
  BOTTOM w0.115: UNK2RR911.1 v1(90.04,290.1) UNK2RR901.1
S2_P5_TXD2: length 215.6
  L11_SIGNAL w0.102: v1(291.7,265.42) 292.1,265.02 292.65,265.02 292.69,264.99 292.77,264.99 292.78,264.98 292.92,264.98
  L11_SIGNAL w0.105: v1(106.29,290.1) 110.12,293.92 139.15,293.92 144.49,288.59 183.96,288.59 185.15,287.4 211.36,287.4 212.58,286.18 260.36,286.18 262.32,288.14 284.21,288.14 286.5,285.86 286.5,284.18 295.72,274.96 295.72,269.13 295.94,268.91 295.94,266.73 294.2,264.99 294.11,264.99 294.1,264.98 292.92,264.98
  BOTTOM w0.115: UNK2RR902.1 v1(106.29,290.1) UNK2RR912.1
S2_P5_TXD3: length 230.9
  L11_SIGNAL w0.105: v1(92.07,290.1) 92.7,290.1 93.3,289.51 106.74,289.51 110.61,293.37 138.84,293.37 147.1,285.11 148.32,285.11 149.09,284.34 151.83,284.34 155.28,280.88 210.92,280.88 211.22,280.58 258.22,280.58 265.22,287.59 283.14,287.59 285.65,285.07 285.65,284.24 295.16,274.73 295.16,268.9 295.38,268.68 295.38,266.96 293.97,265.54 292.62,265.54 v1(292.5,265.42)
  BOTTOM w0.115: UNK2RR903.1 v1(92.07,290.1) UNK2RR913.1
S2_P5_TXEN: length 228.6
  L11_SIGNAL w0.102: 292.92,267.25 292.73,267.25 v1(292.5,267.02)
  L11_SIGNAL w0.105: 292.92,267.25 293.32,267.25 293.72,267.65 293.72,267.99 293.5,268.21 293.5,274.04 290.61,276.93 263.56,276.93 262.57,275.94 244.82,275.94 243.95,276.81 212.64,276.81 210.25,279.2 150.03,279.2 137.59,291.64 127.72,291.64 126.92,290.85 110.44,290.85 107.06,287.47 102.74,287.47 101.39,286.12 89.12,286.12 86.82,288.42 86.82,289.26 v1(85.97,290.1)
  BOTTOM w0.115: UNK2RR915.1 v1(85.97,290.1) UNK2RR905.1
S2_P5_VDDIO:
  vias: v1(291.7,271.02) v1(291.7,267.82) v1(292.5,267.82) v1(298.28,267.59) v1(298.92,267.59)
S2_P6_CLKREQB: length 251
  L46_SIGNAL w0.145: UNK2K211.3 315.62,421.55 315.62,423.4 314.84,424.17 309.08,424.17 307.86,422.95 307.86,403.17 294.59,389.9 294.59,337.84 313.61,318.81 313.61,270.62 312.88,269.89 312.88,250.41 306.05,243.58 300.35,243.58 298.09,245.84 294.66,245.84 292.53,247.96 280.37,247.96 278.61,249.72 278.61,253.67 277.53,254.75 277.53,255.79 276.53,256.78 276.53,259.7 277.45,260.62 v1(278.1,260.62)
S2_P6_HSI+: length 33.1
  L03_SIGNAL w0.185: v4(282.1,259.02) 281.99,258.92 arc(281.93,258.83) 281.91,258.73 281.91,258.42 arc(281.62,257.71) 280.91,257.42 266.01,257.42 arc(265.74,257.37) 265.52,257.21 258.43,250.13 arc(258.13,249.93) 257.78,249.86 256.92,249.86 arc(256.77,249.83) v1(256.65,249.74)
  BOTTOM w0.14: v1(256.65,249.74) 256.51,249.88 253.31,249.88 UNK2K213.7
S2_P6_HSI-: length 33.1
  L03_SIGNAL w0.185: v4(281.3,259.02) 281.4,258.92 arc(281.46,258.83) 281.48,258.73 281.48,258.42 arc(281.31,258.02) 280.91,257.85 266.01,257.85 arc(265.58,257.77) 265.21,257.52 263.34,255.65 arc(263.24,255.58) 263.11,255.56 263.07,255.56 arc(262.91,255.53) 262.78,255.44 262.69,255.35 arc(262.6,255.21) 262.57,255.05 262.57,255.02 arc(262.54,254.89) 262.47,254.79 262.3,254.61 arc(262.19,254.54) 262.06,254.51 262.03,254.51 arc(261.84,254.47) 261.67,254.36 arc(261.56,254.2) 261.52,254.01 261.52,253.97 arc(261.5,253.85) 261.43,253.74 261.25,253.56 arc(261.14,253.49) 261.02,253.47 260.98,253.47 arc(260.84,253.44) 260.72,253.36 260.58,253.22 arc(260.5,253.1) 260.48,252.96 260.48,252.92 arc(260.45,252.8) 260.38,252.69 260.2,252.51 arc(260.1,252.44) 259.97,252.42 259.94,252.42 arc(259.79,252.39) 259.66,252.31 259.54,252.18 arc(259.46,252.06) 259.43,251.91 259.43,251.88 arc(259.41,251.75) 259.33,251.65 259.16,251.47 arc(259.05,251.4) 258.93,251.37 258.89,251.37 arc(258.74,251.34) 258.62,251.26 258.49,251.13 arc(258.41,251.01) 258.38,250.87 258.38,250.83 arc(258.36,250.71) 258.29,250.6 258.12,250.43 arc(257.96,250.33) 257.78,250.29 256.92,250.29 arc(256.77,250.32) v1(256.65,250.4)
  BOTTOM w0.14: v1(256.65,250.4) 256.51,250.27 253.31,250.27 UNK2K213.6
S2_P6_HSO+: length 30.5
  TOP w0.14: v1(255.13,252.4) arc(255.28,252.3) 255.45,252.27 261.06,252.27 arc(261.2,252.3) 261.32,252.38 arc(261.39,252.47) 261.41,252.59 261.41,252.62 arc(261.43,252.73) 261.5,252.83 261.58,252.91 arc(261.68,252.98) 261.79,253 261.82,253 arc(261.93,253.02) 262.03,253.09 262.11,253.17 arc(262.18,253.27) 262.2,253.38 262.2,253.41 arc(262.22,253.51) 262.28,253.6 262.39,253.71 arc(262.48,253.77) 262.58,253.79 262.61,253.79 arc(262.73,253.81) 262.82,253.88 262.91,253.96 arc(262.97,254.06) 262.99,254.17 262.99,254.2 arc(263.01,254.26) 263.04,254.32 263.26,254.53 arc(263.31,254.57) 263.38,254.58 263.4,254.58 arc(263.52,254.6) 263.61,254.67 263.7,254.75 arc(263.76,254.85) 263.79,254.96 263.79,254.99 arc(263.8,255.08) 263.85,255.15 264.01,255.31 arc(264.08,255.36) 264.17,255.37 264.2,255.37 arc(264.31,255.4) 264.41,255.46 264.49,255.54 arc(264.55,255.64) 264.58,255.76 264.58,255.78 arc(264.59,255.87) 264.64,255.95 264.8,256.1 arc(264.87,256.15) 264.96,256.17 264.99,256.17 arc(265.1,256.19) 265.2,256.25 265.28,256.34 arc(265.35,256.43) 265.37,256.55 265.37,256.58 arc(265.39,256.69) 265.46,256.79 265.54,256.87 arc(265.64,256.94) 265.75,256.96 265.78,256.96 arc(265.89,256.98) 265.99,257.05 266.22,257.27 arc(266.87,257.71) 267.65,257.87 279.24,257.87 arc(279.71,258.06) 279.9,258.52 279.9,258.53 arc(279.9,258.56) 279.9,258.6 arc(279.83,258.83) SITE2.W3
  BOTTOM w0.14: UNK2K213.2 253.31,252.27 254.99,252.27 v1(255.13,252.4)
S2_P6_HSO-: length 30.5
  TOP w0.14: SITE2.W4 arc(280.35,258.79) 280.29,258.53 280.29,258.52 arc(279.98,257.78) 279.24,257.48 267.65,257.48 arc(267.02,257.35) 266.49,257 266.27,256.77 261.6,252.1 arc(261.35,251.94) 261.06,251.88 255.45,251.88 arc(255.28,251.84) v1(255.13,251.74)
  BOTTOM w0.14: v1(255.13,251.74) 254.99,251.88 253.31,251.88 UNK2K213.3
S2_P6_ISOLATEB: length 249.9
  L46_SIGNAL w0.102: 279.3,258.6 279.3,260.22 v1(278.9,260.62)
  L46_SIGNAL w0.145: 279.3,258.6 279.3,256.64 280.51,255.42 280.51,251.03 281.16,250.38 283.68,250.38 283.99,250.07 285.35,250.07 285.66,250.38 293.69,250.38 296.46,253.15 296.46,254.68 297.94,256.16 304.67,256.16 309.72,261.21 309.72,269.13 310.45,269.86 310.45,279.93 310.88,280.36 310.88,317.68 291.86,336.71 291.86,385.09 265.08,411.88 265.08,423.93 262.38,426.62 251.38,426.62 250.51,425.75 250.51,421.9 UNK2K220.3
S2_P6_LANWAKEB: length 245.3
  L46_SIGNAL w0.102: 277.68,261.82 278.5,261.82 v1(278.9,261.42)
  L46_SIGNAL w0.145: 277.68,261.82 277.47,261.82 275.7,260.04 275.7,254.8 277.77,252.72 277.77,249.29 280.02,247.04 292.48,247.04 294.44,245.07 297.74,245.07 300.41,242.4 301,242.4 302.12,241.28 304.88,241.28 312.89,249.29 315.44,249.29 316.81,250.66 316.81,257.18 317.93,258.29 317.93,279.52 317.28,280.17 317.28,320.33 298.25,339.36 298.25,391.9 309.05,402.69 309.05,418.42 UNK2K212.3
S2_P6_LED: length 24.1
  L05_SIGNAL w0.102: 292.92,264.22 289.7,264.22 v1(289.3,264.62)
  L05_SIGNAL w0.105: v1(312.06,261.45) 310.69,262.82 302.8,262.82 301.4,264.22 292.92,264.22
S2_P6_MDI+: length 69.5
  L03_SIGNAL w0.136: v1(282.1,272.62) 281.54,273.17 281.54,276.15 280.6,277.09 263.25,277.09 262.17,276.01 226.78,276.01 225.8,275.02 225.8,272.01 226.33,271.48 229.86,271.48 230,271.35 UNK2K140.3
S2_P6_MDI-: length 69.5
  L03_SIGNAL w0.136: v1(281.3,272.62) 281.09,272.83 281.09,275.97 280.42,276.64 272.38,276.64 272.22,276.48 272.22,276.22 272.06,276.06 271.83,276.06 271.67,276.22 271.67,276.48 271.51,276.64 271.29,276.64 271.13,276.48 271.13,276.22 270.97,276.06 270.75,276.06 270.59,276.22 270.59,276.48 270.43,276.64 270.2,276.64 270.04,276.48 270.04,276.22 269.88,276.06 269.66,276.06 269.5,276.22 269.5,276.48 269.34,276.64 263.44,276.64 262.35,275.55 226.97,275.55 226.25,274.84 226.25,272.2 226.52,271.93 229.86,271.93 230,272.07 UNK2K140.6
S2_P6_PCIE_RESETB: length 282.1
  L46_SIGNAL w0.145: v1(278.1,259.82) 277.78,259.82 277.33,259.37 277.33,257.29 279.24,255.38 279.24,250.09 280.64,248.69 293.11,248.69 293.43,248.37 296.74,248.37 300.64,244.48 304.81,244.48 311.29,250.96 311.29,269.92 311.08,270.13 311.08,278.99 312.87,280.78 312.87,318.51 293.85,337.53 293.85,384.14 265.8,412.18 265.8,424.23 262.71,427.33 247.89,427.33 246.74,426.18 246.74,417.84 248.16,416.43 252.71,416.43 253.4,417.12 253.4,418.58 UNK2K221.3
S2_P6_REFCLK+: length 53
  L07_SIGNAL w0.1: v1(278.9,259.82) 278.5,259.42 278.5,258.72 278.72,258.5 278.72,258.13 278.45,257.87 255.65,257.87 255.41,258.1 242.78,258.1 236.93,252.25 236.58,252.25 236.4,252.44 236.18,252.44 236,252.25 235.78,252.25 235.6,252.44 235.38,252.44 235.2,252.25 234.98,252.25 234.8,252.44 234.58,252.44 234.4,252.25 234.18,252.25 234,252.44 233.78,252.44 233.6,252.25 232.81,252.25 v1(232.66,252.4)
  BOTTOM w0.105: UNK2K214.2 231.1,252.27 232.52,252.27 v1(232.66,252.4)
S2_P6_REFCLK-: length 53
  L07_SIGNAL w0.1: v1(232.66,251.74) 232.81,251.89 237.08,251.89 242.93,257.74 255.26,257.74 255.5,257.5 278.6,257.5 279.08,257.98 279.08,258.5 279.3,258.72 279.3,259.42 v1(279.7,259.82)
  BOTTOM w0.105: UNK2K214.3 231.1,251.88 232.52,251.88 v1(232.66,251.74)
S2_P7_CLKREQB: length 261.8
  L46_SIGNAL w0.102: 277.68,263.42 280.76,263.42 280.9,263.28 280.9,262.62 v1(281.3,262.22)
  L46_SIGNAL w0.145: 277.68,263.42 276.81,263.42 273.93,260.54 273.93,254.72 275.69,252.95 275.69,245.42 276.5,244.62 292.27,244.62 294.28,242.62 296.46,242.62 299.16,239.92 305.44,239.92 313.46,247.93 316.01,247.93 318.17,250.1 318.17,256.62 319.69,258.14 319.69,275.1 319.48,275.31 319.48,279.86 318.61,280.72 318.61,320.89 299.59,339.91 299.59,391.34 315.4,407.15 315.4,413.11 318.6,416.3 318.6,418.56 UNK2K211.6
S2_P7_HSI+: length 41.1
  L03_SIGNAL w0.185: v1(256.65,245.24) arc(256.77,245.33) 256.92,245.36 259.74,245.36 arc(260.56,245.69) 260.89,246.5 260.89,248.13 arc(260.98,248.56) 261.23,248.93 267.83,255.54 arc(267.99,255.65) 268.18,255.69 284.31,255.69 arc(285.45,256.16) 285.91,257.29 285.91,258.58 arc(285.96,258.82) v4(286.1,259.02)
  BOTTOM w0.14: v1(256.65,245.24) 256.51,245.38 253.31,245.38 UNK2K213.16
S2_P7_HSI-: length 41.1
  L03_SIGNAL w0.185: v4(285.3,259.02) arc(285.43,258.82) 285.48,258.58 285.48,257.29 arc(285.14,256.46) 284.31,256.12 268.18,256.12 arc(267.83,256.05) 267.53,255.85 267.33,255.65 arc(267.22,255.58) 267.1,255.56 267.06,255.56 arc(266.9,255.53) 266.77,255.44 266.68,255.35 arc(266.61,255.26) 266.57,255.16 266.57,255.05 arc(266.54,254.91) 266.46,254.79 266.28,254.61 arc(266.18,254.54) 266.05,254.51 266.02,254.51 arc(265.82,254.47) 265.66,254.36 arc(265.55,254.2) 265.51,254.01 265.51,253.97 arc(265.49,253.85) 265.42,253.74 265.24,253.56 arc(265.13,253.49) 265.01,253.47 264.97,253.47 arc(264.83,253.44) 264.71,253.36 264.57,253.22 arc(264.49,253.1) 264.46,252.96 264.46,252.92 arc(264.44,252.8) 264.37,252.69 264.19,252.51 arc(264.08,252.44) 263.96,252.42 263.92,252.42 arc(263.78,252.39) 263.65,252.31 263.53,252.18 arc(263.45,252.06) 263.42,251.91 263.42,251.88 arc(263.39,251.75) 263.32,251.65 263.14,251.47 arc(263.04,251.4) 262.91,251.37 262.88,251.37 arc(262.73,251.34) 262.61,251.26 262.48,251.13 arc(262.4,251.01) 262.37,250.87 262.37,250.83 arc(262.35,250.71) 262.28,250.6 261.6,249.92 260.92,249.24 arc(260.58,248.73) 260.46,248.13 260.46,246.5 arc(260.25,246) 259.74,245.79 256.92,245.79 arc(256.77,245.82) v1(256.65,245.9)
  BOTTOM w0.14: UNK2K213.15 253.31,245.77 256.51,245.77 v1(256.65,245.9)
S2_P7_HSO+: length 37.2
  TOP w0.14: v1(258.67,247.9) arc(258.82,247.8) 259,247.77 259.55,247.77 arc(259.86,247.83) 260.12,248 262.59,250.47 arc(262.65,250.56) 262.67,250.68 262.67,250.71 arc(262.69,250.81) 262.75,250.89 262.87,251.01 arc(262.96,251.07) 263.06,251.09 263.08,251.09 arc(263.2,251.11) 263.29,251.18 263.38,251.26 arc(263.44,251.36) 263.47,251.47 263.47,251.5 arc(263.48,251.59) 263.53,251.67 263.68,251.81 arc(263.76,251.86) 263.85,251.88 263.88,251.88 arc(263.99,251.9) 264.09,251.97 264.17,252.05 arc(264.23,252.15) 264.26,252.26 264.26,252.29 arc(264.28,252.39) 264.33,252.47 264.46,252.6 arc(264.54,252.65) 264.64,252.67 264.67,252.67 arc(264.78,252.7) 264.88,252.76 264.96,252.84 arc(265.03,252.94) 265.05,253.06 265.05,253.08 arc(265.07,253.17) 265.12,253.25 265.26,253.4 arc(265.34,253.45) 265.43,253.47 265.46,253.47 arc(265.57,253.49) 265.67,253.55 265.75,253.64 arc(265.82,253.73) 265.84,253.85 265.84,253.88 arc(265.86,253.96) 265.91,254.04 266.06,254.19 arc(266.14,254.24) 266.22,254.26 266.25,254.26 arc(266.37,254.28) 266.46,254.34 266.55,254.43 arc(266.61,254.52) 266.63,254.64 266.63,254.67 arc(266.65,254.78) 266.72,254.87 266.82,254.97 arc(266.91,255.03) 267.01,255.05 267.04,255.05 arc(267.16,255.07) 267.25,255.14 267.92,255.81 arc(268.15,255.96) 268.42,256.01 282.61,256.01 arc(283.51,256.38) 283.88,257.28 283.88,258.57 arc(283.83,258.81) SITE2.W8
  BOTTOM w0.14: v1(258.67,247.9) 258.54,247.77 253.31,247.77 UNK2K213.11
S2_P7_HSO-: length 37.2
  TOP w0.14: SITE2.W9 arc(284.33,258.77) 284.27,258.48 284.27,257.28 arc(283.79,256.11) 282.61,255.62 268.42,255.62 arc(268.3,255.6) 268.2,255.53 260.4,247.73 arc(260.01,247.47) 259.55,247.38 259,247.38 arc(258.82,247.34) v1(258.67,247.24)
  BOTTOM w0.14: UNK2K213.12 253.31,247.38 258.54,247.38 v1(258.67,247.24)
S2_P7_ISOLATEB: length 236
  L46_SIGNAL w0.102: 280.1,258.6 280.1,261.02 v1(280.5,261.42)
  L46_SIGNAL w0.145: 280.1,258.6 280.1,257.85 281.81,256.13 281.81,252.82 282.7,251.94 285.13,251.94 285.38,252.19 292.11,252.19 292.29,252.01 293.55,252.01 294.71,253.17 294.71,254.79 296.77,256.86 304.38,256.86 308.13,260.61 308.13,316.54 289.1,335.56 289.1,386.57 264.17,411.51 264.17,422.75 262.96,423.96 254.82,423.96 253.72,422.87 253.72,421.9 UNK2K220.6
S2_P7_LANWAKEB: length 251.4
  L46_SIGNAL w0.102: 277.68,262.62 280.1,262.62 v1(280.5,262.22)
  L46_SIGNAL w0.145: UNK2K212.6 312.62,418.79 312.62,405.31 298.93,391.62 298.93,339.63 317.95,320.61 317.95,280.45 318.54,279.85 318.54,257.93 317.51,256.9 317.51,250.37 315.73,248.6 313.18,248.6 305.17,240.59 300.94,240.59 297.15,244.38 294.16,244.38 292.19,246.35 279.74,246.35 277.08,249 277.08,252.44 275.01,254.51 275.01,260.48 277.14,262.62 277.68,262.62
S2_P7_PCIE_RESETB: length 217.3
  L46_SIGNAL w0.102: v1(281.3,261.42) 280.9,261.02 280.9,258.6
  L46_SIGNAL w0.145: UNK2K221.6 260.15,418.2 260.15,414.56 288.42,386.29 288.42,335.28 307.44,316.26 307.44,261.15 304.3,258.01 296.48,258.01 294.06,255.59 294.06,253.69 293.05,252.68 292.46,252.68 292.13,253.01 285.34,253.01 284.6,253.75 283.59,253.75 282.87,254.47 282.87,256.63 280.9,258.6
S2_P7_REFCLK+: length 57.1
  L07_SIGNAL w0.1: v1(282.1,259.82) 281.7,259.42 281.7,258.7 281.91,258.48 281.91,257.6 280.28,255.96 256.07,255.96 253.65,253.54 248.21,253.54 246.8,252.13 241.94,252.13 240.07,250.25 238.55,250.25 238.38,250.42 238.15,250.42 237.98,250.25 237.75,250.25 237.58,250.42 237.35,250.42 237.18,250.25 236.95,250.25 236.78,250.42 236.55,250.42 236.38,250.25 236.15,250.25 235.98,250.42 235.75,250.42 235.58,250.25 234.59,250.25 v1(234.44,250.4)
  BOTTOM w0.105: v1(234.44,250.4) 234.3,250.27 231.1,250.27 UNK2K214.6
S2_P7_REFCLK-: length 57.1
  L07_SIGNAL w0.1: v1(234.44,249.74) 234.59,249.89 240.22,249.89 242.1,251.76 246.95,251.76 248.36,253.18 253.8,253.18 256.22,255.6 280.43,255.6 282.28,257.45 282.28,258.47 282.5,258.69 282.5,259.42 v1(282.9,259.82)
  BOTTOM w0.105: UNK2K214.7 231.05,249.83 231.07,249.83 231.1,249.8 234.38,249.8 v1(234.44,249.74)
S2_PGATE:
  vias: v1(281.3,267.82)
S2_R_P0_RXC: length 5
  BOTTOM w0.115: UNK2RR410.2 166.56,267.76 169.74,267.76 UNK2K233.3
S2_R_P0_RXD0: length 5.1
  BOTTOM w0.115: UNK2K182.6 169.68,274.97 166.62,274.97 UNK2RR413.2
S2_R_P0_RXD1: length 5.1
  BOTTOM w0.115: UNK2RR407.2 182.38,268.76 185.44,268.76 UNK2K231.6
S2_R_P0_RXD2: length 5.1
  BOTTOM w0.115: UNK2K233.6 169.68,268.76 166.62,268.76 UNK2RR411.2
S2_R_P0_RXD3: length 5
  BOTTOM w0.115: UNK2K232.3 169.74,261.55 166.56,261.55 UNK2RR408.2
